# Altium PCB PCB_WINGLET_V1P_OSR.PcbDoc (part 1 of 4) (continued)
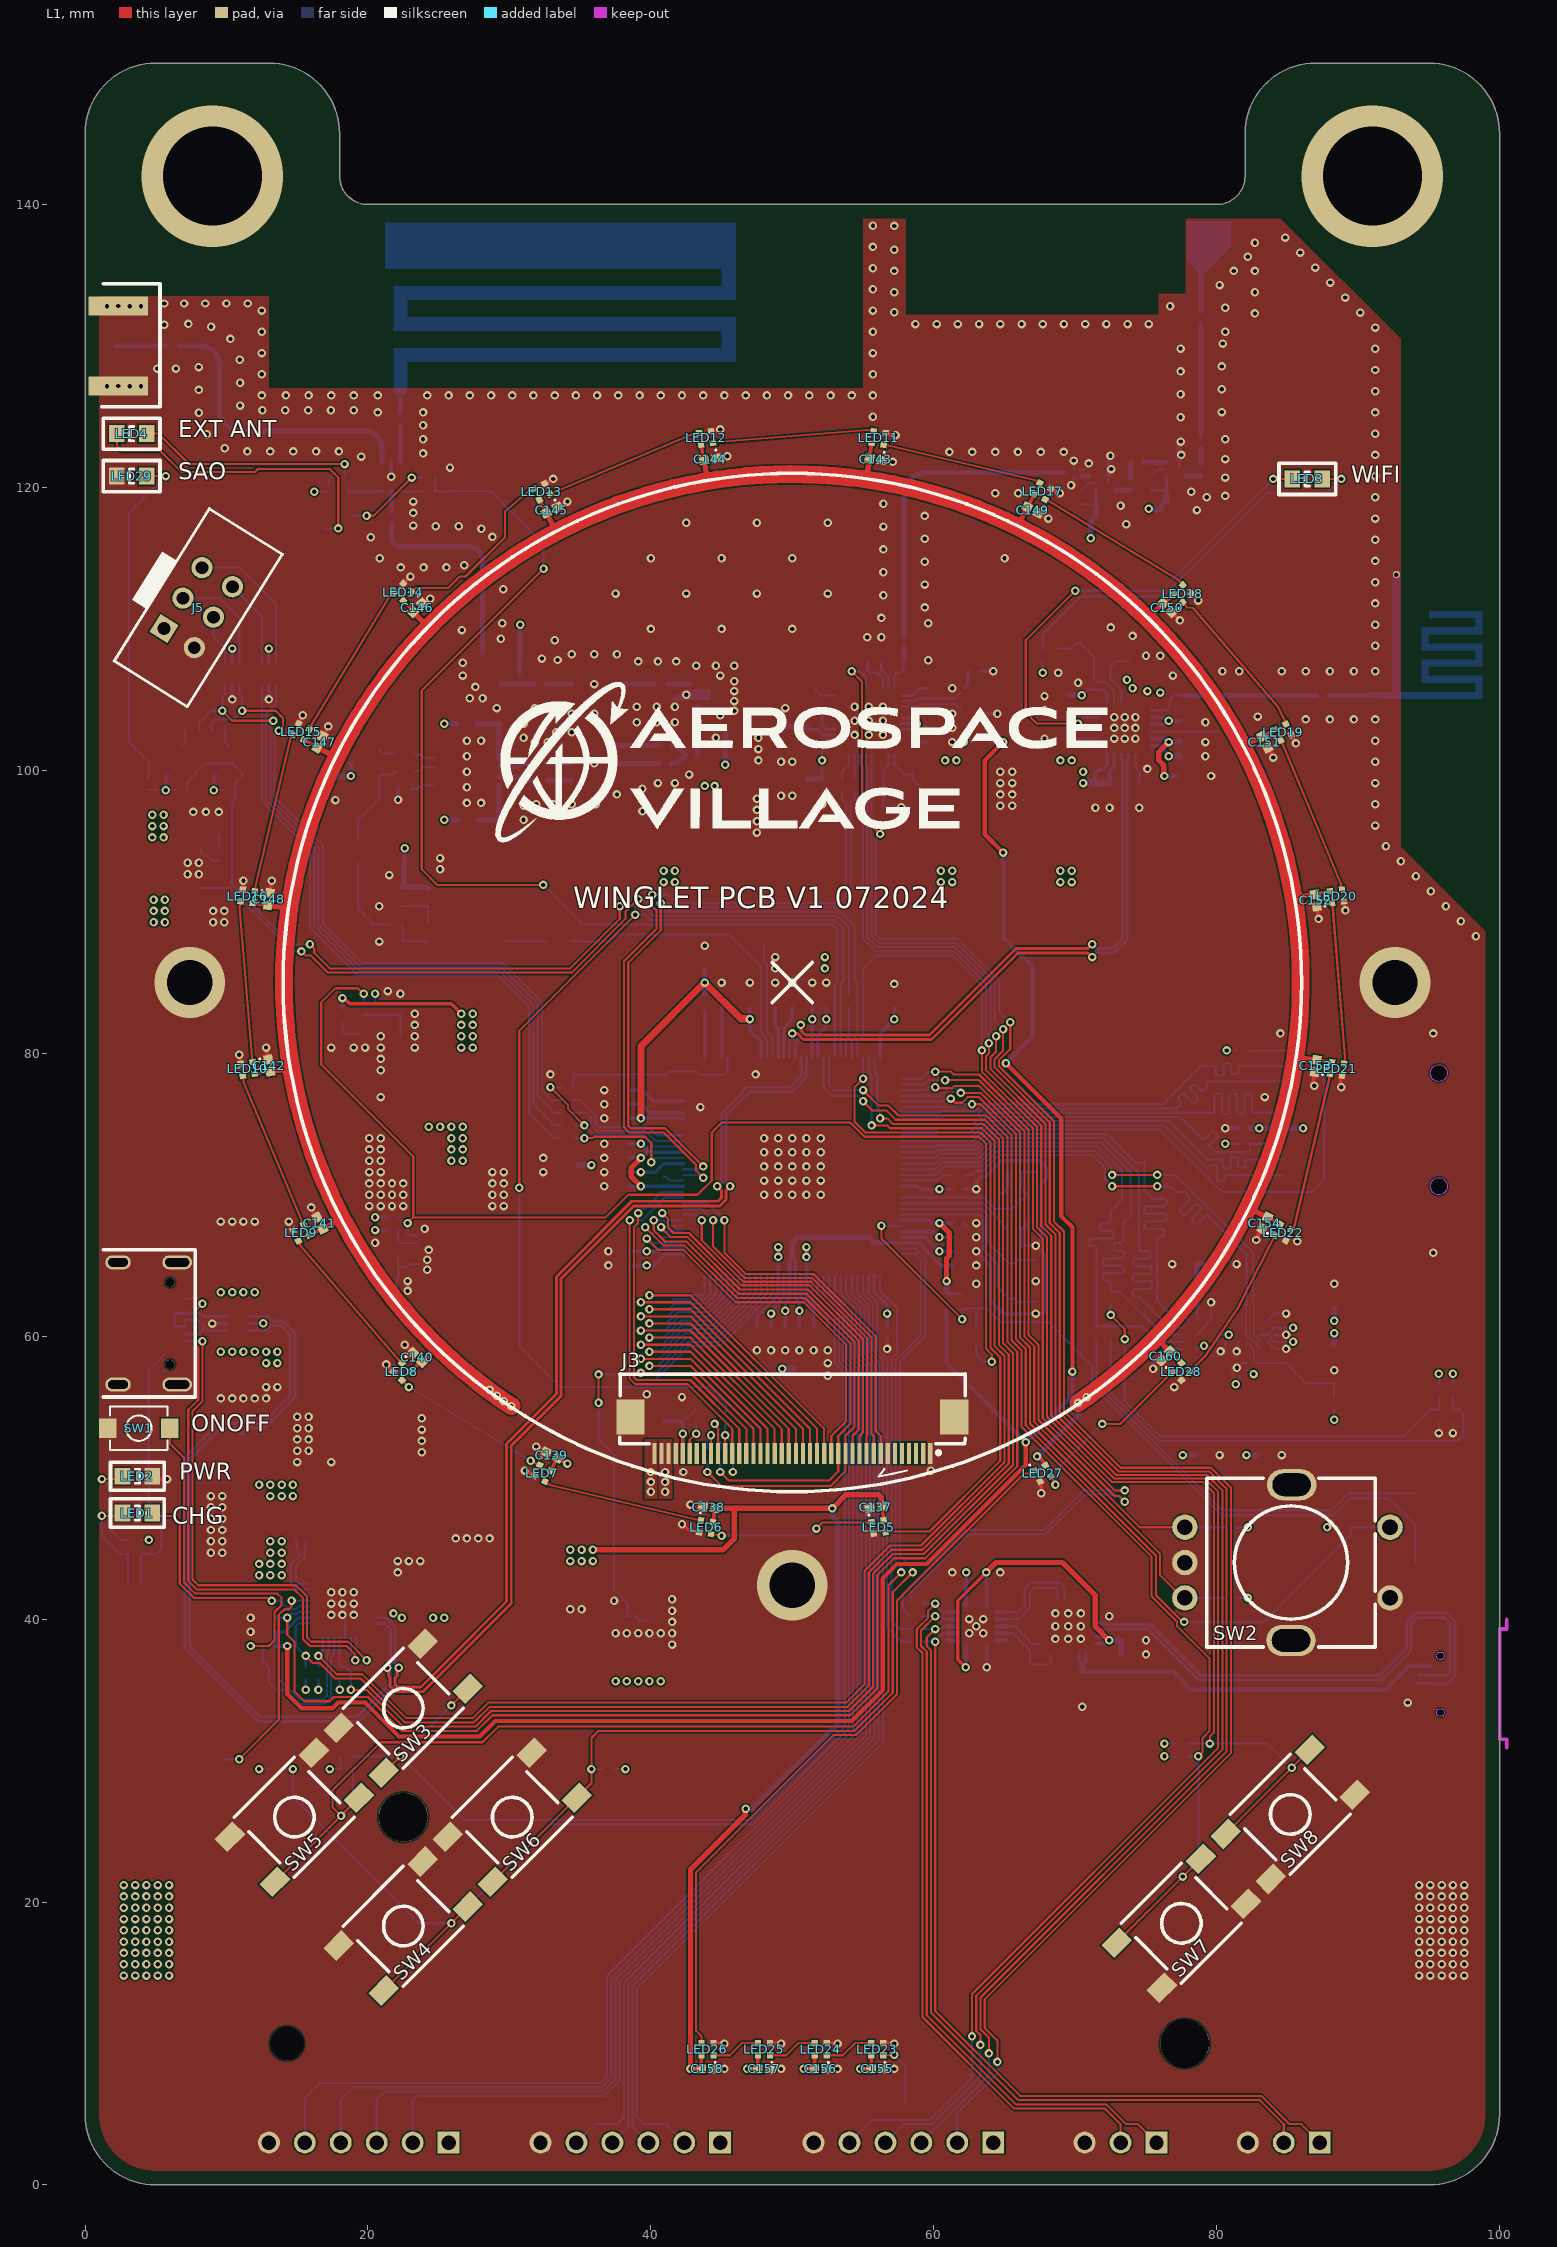
[diagram p0: L1 view]
## Components (designator, comment, footprint, x,y, rotation, side; value= is the part's Value field where it differs from the comment) (continued)
LED3 "GREEN_0805" 0805_A 86.4,120.6 r0 top
LED4 "GREEN_0805" 0805_A 3.3,123.8 r0 top
LED5 "XL-1010RGBC-WS2812B" DFN3127P600-8N 56.1,46.5 r9 top
LED6 "XL-1010RGBC-WS2812B" DFN3127P600-8N 43.9,46.5 r351 top
LED7 "XL-1010RGBC-WS2812B" DFN3127P600-8N 32.328,50.314 r333 top
LED8 "XL-1010RGBC-WS2812B" DFN3127P600-8N 22.4,57.5 r315 top
LED9 "XL-1010RGBC-WS2812B" DFN3127P600-8N 15.272,67.314 r297 top
LED10 "XL-1010RGBC-WS2812B" DFN3127P600-8N 11.5,78.9 r279 top
LED11 "XL-1010RGBC-WS2812B" DFN3127P600-8N 56.1,123.5 r171 top
LED12 "XL-1010RGBC-WS2812B" DFN3127P600-8N 43.9,123.5 r189 top
LED13 "XL-1010RGBC-WS2812B" DFN3127P600-8N 32.3,119.7 r207 top
LED14 "XL-1010RGBC-WS2812B" DFN3127P600-8N 22.5,112.599 r225 top
LED15 "XL-1010RGBC-WS2812B" DFN3127P600-8N 15.286,102.728 r243 top
LED16 "XL-1010RGBC-WS2812B" DFN3127P600-8N 11.5,91.1 r261 top
LED17 "XL-1010RGBC-WS2812B" DFN3127P600-8N 67.686,119.728 r153 top
LED18 "XL-1010RGBC-WS2812B" DFN3127P600-8N 77.6,112.5 r135 top
LED19 "XL-1010RGBC-WS2812B" DFN3127P600-8N 84.7,102.7 r117 top
LED20 "XL-1010RGBC-WS2812B" DFN3127P600-8N 88.5,91.1 r99 top
LED21 "XL-1010RGBC-WS2812B" DFN3127P600-8N 88.5,78.9 r81 top
LED22 "XL-1010RGBC-WS2812B" DFN3127P600-8N 84.686,67.328 r63 top
LED23 "XL-1010RGBC-WS2812B" DFN3127P600-8N 56,9.6 r180 top
LED24 "XL-1010RGBC-WS2812B" DFN3127P600-8N 52,9.6 r180 top
LED25 "XL-1010RGBC-WS2812B" DFN3127P600-8N 48,9.6 r180 top
LED26 "XL-1010RGBC-WS2812B" DFN3127P600-8N 44,9.6 r180 top
LED27 "XL-1010RGBC-WS2812B" DFN3127P600-8N 67.7,50.3 r27 top
LED28 "XL-1010RGBC-WS2812B" DFN3127P600-8N 77.5,57.5 r45 top
LED29 "GREEN_0805" 0805_A 3.3,120.8 r0 top
P1 "TSW-103-07-G-S" SMTC-TSW-103-07-X-S 87.28,3 r180 bottom locked
P2 "TSW-103-07-G-S" SMTC-TSW-103-07-X-S 75.74,3 r180 bottom locked
P3 "TSW-106-07-F-S" SMTC-TSW-106-07-X-S 64.2,3 r180 bottom locked
P4 "TSW-106-07-F-S" SMTC-TSW-106-07-X-S 25.7,3 r180 bottom locked
P5 "TSW-106-07-F-S" SMTC-TSW-106-07-X-S 44.9,3 r180 bottom locked
Q1 "BC848BLT1" ONSC-SOT-23-3-318-08_V 19.8,100.5 r180 bottom
Q2 "BC848BLT1" ONSC-SOT-23-3-318-08_V 17.9,117.1 r180 bottom
Q3 "SI2301-ZE" FP-SOT23-MFG 10.2,100.7 r90 bottom
Q4 "SI2301-ZE" FP-SOT23-MFG 6.8,100.7 r90 bottom
R1 "10K_0402" RESC1005X40X25NL05T05 13,38.1 r180 bottom
R2 "10K_0402" RESC1005X40X25NL05T05 18,36.2 r90 bottom
R3 "10K_0402" RESC1005X40X25NL05T05 15.6,36.2 r90 bottom
R4 "10K_0402" RESC1005X40X25NL05T05 16.5,36.2 r90 bottom
R5 "10mR_1206_1W" FP-ERJ8BW-IPC_B 15.3,47.1 r180 bottom
R6 "10K_0402" RESC1005X40X25NL05T05 13,40.1 r0 bottom
R7 "10K_0402" RESC1005X40X25NL05T05 3.5,44.6 r0 bottom
R8 "10K_0402" RESC1005X40X25NL05T05 3.5,43.6 r0 bottom
R9 "NTC_10K_0603" FP-ERTJ1-IPC_C 9.2,30.1 r180 bottom
R10 "10K_0402" RESC1005X40X25NL05T05 3.5,42.6 r0 bottom
R11 "10K_0402" RESC1005X40X25NL05T05 22,62.7 r90 bottom
R12 "100K_0402" RESC1005X40X25NL05T10 21.7,68.4 r180 bottom
R13 "511K_0402" RESC1005X40X25NL05T10 21.7,67.5 r0 bottom
R14 "100K_0402" RESC1005X40X25NL05T10 21.7,65.7 r180 bottom
R15 "10K_0402" RESC1005X40X25NL05T05 22,87.9 r0 bottom
R16 "91K_0402" RESC1005X40X25NL05T10 21.7,66.6 r180 bottom
R17 "10K_0402" RESC1005X40X25NL05T05 3.5,45.6 r0 bottom
R18 "75K_0402" RESC1005X40X25NL05T05 18.2,82.7 r90 bottom
R19 "150K_0402" RESC1005X40X25NL05T05 18.2,80.9 r90 bottom
R20 "100K_0402" RESC1005X40X25NL05T10 20.5,83.1 r90 bottom
R21 "100K_0402" RESC1005X40X25NL05T10 19.7,83.1 r90 bottom
R22 "100K_0402" RESC1005X40X25NL05T10 22.3,83.1 r90 bottom
R23 "10K_0402" RESC1005X40X25NL05T05 62,62.4 r90 bottom
R24 "0R_0603" RESC1608X55X25LL10T15 60.9,62.5 r270 bottom
R25 "240R_0402_0.1%" RESC1005X40X25NL05T05 51.5,60.3 r90 bottom
R26 "0R_0603" RESC1608X55X25LL10T15 43.8,83.6 r270 bottom
R27 "100K_0402" RESC1005X40X25NL05T10 34.1,77.6 r180 bottom
R28 "100K_0402" RESC1005X40X25NL05T10 34.1,78.5 r0 bottom
R29 "10K_0402" RESC1005X40X25NL05T05 81.9,80.2 r0 bottom
R30 "33R_0402" RESC1005X40X25NL05T05 61.7,75 r0 bottom
R31 "10K_0402" RESC1005X40X25NL05T05 81.9,73.6 r0 bottom
R32 "33R_0402" RESC1005X40X25NL05T05 61.7,71.4 r0 bottom
R33 "10K_0402" RESC1005X40X25NL05T05 72.5,62.7 r270 bottom
R34 "10K_0402" RESC1005X40X25NL05T05 72.5,60.25 r270 bottom
R35 "33R_0402" RESC1005X40X25NL05T05 71.5,60.25 r270 bottom
R36 "10K_0402" RESC1005X40X25NL05T05 88.3,55.3 r270 bottom
R37 "10K_0402" RESC1005X40X25NL05T05 43.2,54.4 r270 bottom
R38 "10K_0402" RESC1005X40X25NL05T05 45.8,51.6 r90 bottom
R39 "33R_0402" RESC1005X40X25NL05T05 45.3,54.2 r270 bottom
R40 "33R_0402" RESC1005X40X25NL05T05 44,51.6 r90 bottom
R41 "33R_0402" RESC1005X40X25NL05T05 44.9,51.6 r90 bottom
R42 "1R3_0805" RESC2013X50X30NL20T20 40.2,42.1 r90 bottom
R43 "10K_0402" RESC1005X40X25NL05T05 40.1,39.9 r0 bottom
R44 "10K_0402" RESC1005X40X25NL05T05 69.15,102.2 r0 bottom
R45 "10K_0402" RESC1005X40X25NL05T05 69.15,104.3 r0 bottom
R46 "24K_0402" RESC1005X40X25NL05T05 74.525,98.65 r90 bottom
R47 "10K_0402" RESC1005X40X25NL05T05 67.7,108.1 r90 bottom
R48 "10K_0402" RESC1005X40X25NL05T05 75.365,120.3 r90 bottom
R49 "10K_0402" RESC1005X40X25NL05T05 70.4,119.3 r90 bottom
R50 "33R_0402" RESC1005X40X25NL05T05 53.5,98.9 r270 bottom
R51 "33R_0402" RESC1005X40X25NL05T05 54.4,98.9 r270 bottom
R52 "33R_0402" RESC1005X40X25NL05T05 24.3,119.7 r0 bottom
R53 "10K_0402" RESC1005X40X25NL05T05 25.8,120.2 r270 bottom
R54 "10R_0603" RESC1608X55X25NL10T15 17.9,119.7 r180 bottom
R55 "10K_0402" RESC1005X40X25NL05T05 17.9,120.9 r180 bottom
R56 "0R_0603" RESC1608X55X25LL10T15 22.6,101.2 r0 bottom
R57 "10K_0402" RESC1005X40X25NL05T05 24.3,120.7 r0 bottom
R58 "0R_0603" RESC1608X55X25LL10T15 22.6,99.9 r0 bottom
R59 "10R_0603" RESC1608X55X25NL10T15 27,103.3 r0 bottom
R60 "10K_0402" RESC1005X40X25NL05T05 22,89.1 r0 bottom
R61 "10K_0402" RESC1005X40X25NL05T05 22,90.4 r0 bottom
R62 "10R_0603" RESC1608X55X25NL10T15 27.1,96.5 r0 bottom
R63 "10K_0402" RESC1005X40X25NL05T05 22.6,98.7 r0 bottom
R64 "10K_0402" RESC1005X40X25NL05T05 89,46.5 r180 bottom
R65 "33R_0402" RESC1005X40X25NL05T05 34.1,76.7 r180 bottom
R66 "10K_0402" RESC1005X40X25NL05T05 4.5,99.05 r270 bottom
R67 "10K_0402" RESC1005X40X25NL05T05 81,46.5 r0 bottom
R68 "10K_0402" RESC1005X40X25NL05T05 81,41.5 r180 bottom
R69 "10K_0402" RESC1005X40X25NL05T05 9.45,91.26 r270 bottom
R70 "10K_0402" RESC1005X40X25NL05T05 9.45,94.06 r90 bottom
R71 "33R_0402" RESC1005X40X25NL05T05 34.1,75.8 r180 bottom
R72 "10K_0402" RESC1005X40X25NL05T05 9.45,95.86 r90 bottom
R73 "10K_0402" RESC1005X40X25NL05T05 18.5,30.3 r180 bottom
R74 "33R_0402" RESC1005X40X25NL05T05 34.1,74.9 r180 bottom
R75 "10K_0402" RESC1005X40X25NL05T05 13.5,29.4 r180 bottom
R76 "10K_0402" RESC1005X40X25NL05T05 18.5,29.4 r180 bottom
R77 "100K_0402" RESC1005X40X25NL05T10 10.2,98.6 r180 bottom
R78 "10K_0402" RESC1005X40X25NL05T05 37,29.4 r0 bottom
R79 "10K_0402" RESC1005X40X25NL05T05 77.5,30.3 r180 bottom
R80 "10K_0402" RESC1005X40X25NL05T05 77.5,31.2 r180 bottom
R81 "10K_0402" RESC1005X40X25NL05T05 9.4,102.8 r0 bottom
R82 "33R_0402" RESC1005X40X25NL05T05 34.1,74 r180 bottom
R83 "33R_0402" RESC1005X40X25NL05T05 54,83.7 r90 bottom
R84 "100K_0402" RESC1005X40X25NL05T10 6.8,98.6 r180 bottom
R85 "10K_0402" RESC1005X40X25NL05T05 7.6,102.8 r180 bottom
R86 "33R_0402" RESC1005X40X25NL05T05 58.8,41.1 r0 bottom
R87 "33R_0402" RESC1005X40X25NL05T05 58.8,40.2 r0 bottom
R88 "33R_0402" RESC1005X40X25NL05T05 58.8,39.3 r0 bottom
R89 "33R_0402" RESC1005X40X25NL05T05 58.8,38.4 r0 bottom
R90 "10K_0402" RESC1005X40X25NL05T05 95.7,56.15 r270 bottom
R91 "10K_0402" RESC1005X40X25NL05T05 96.7,56.15 r270 bottom
R92 "10K_0402" RESC1005X40X25NL05T05 95.7,54.35 r270 bottom
R93 "10K_0402" RESC1005X40X25NL05T05 96.7,54.35 r270 bottom
SW1 "GT-TC029B-H025-L1N" LCSC_SMD_SW_SMALL 3.8,53.5 r180 top
SW2 "EC11L1525G01" LCSC_ALPS_EC11L1525G01 85,44 r270 top
SW3 "C5127964" LCSC_SMD_SW_MED 22.5,33.7 r225 top locked
SW4 "C5127964" LCSC_SMD_SW_MED 22.5,18.3 r225 top locked
SW5 "C5127964" LCSC_SMD_SW_MED 14.8,26 r225 top locked
SW6 "C5127964" LCSC_SMD_SW_MED 30.2,26 r225 top locked
SW7 "C5127964" LCSC_SMD_SW_MED 77.5,18.5 r45 top
SW8 "C5127964" LCSC_SMD_SW_MED 85.2,26.2 r45 top
SW9 "GT-TC029B-H025-L1N" LCSC_SMD_SW_SMALL 96.2,48.9 r0 bottom
SW10 "GT-TC029B-H025-L1N" LCSC_SMD_SW_SMALL 96.2,44 r0 bottom
TP1 "TESTPOINT" TESTPOINT-0.7MM-SINGLE-LAYER 13.8,35.7 r270 bottom value=Unknown
TP2 "TESTPOINT" TESTPOINT-0.7MM-SINGLE-LAYER 13,36.6 r270 bottom value=Unknown
TP3 "TESTPOINT" TESTPOINT-0.7MM-SINGLE-LAYER 65.5,53.5 r270 bottom value=Unknown
TP4 "TESTPOINT" TESTPOINT-0.7MM-SINGLE-LAYER 69.65,59.45 r270 bottom value=Unknown
TP5 "TESTPOINT" TESTPOINT-0.7MM-SINGLE-LAYER 64.2,66.2 r270 bottom value=Unknown
TP6 "TESTPOINT" TESTPOINT-0.7MM-SINGLE-LAYER 67.2,71.6 r270 bottom value=Unknown
TP7 "TESTPOINT" TESTPOINT-0.7MM-SINGLE-LAYER 40.9,71.3 r270 bottom value=Unknown
TP8 "TESTPOINT" TESTPOINT-0.7MM-SINGLE-LAYER 48,87.6 r270 bottom value=Unknown
TP9 "TESTPOINT" TESTPOINT-0.7MM-SINGLE-LAYER 35.6,78.5 r270 bottom value=Unknown
TP10 "TESTPOINT" TESTPOINT-0.7MM-SINGLE-LAYER 11.108,53.058 r270 bottom value=Unknown
TP11 "TESTPOINT" TESTPOINT-0.7MM-SINGLE-LAYER 11.125,54.275 r270 bottom value=Unknown
TP12 "TESTPOINT" TESTPOINT-0.7MM-SINGLE-LAYER 78.9,75.8 r180 bottom value=Unknown
TP13 "TESTPOINT" TESTPOINT-0.7MM-SINGLE-LAYER 78.4,74.5 r180 bottom value=Unknown
TP14 "TESTPOINT" TESTPOINT-0.7MM-SINGLE-LAYER 82.2,78 r180 bottom value=Unknown
TP15 "TESTPOINT" TESTPOINT-0.7MM-SINGLE-LAYER 78.818,79.1 r180 bottom value=Unknown
TP16 "TESTPOINT" TESTPOINT-0.7MM-SINGLE-LAYER 83,71.4 r180 bottom value=Unknown
TP17 "TESTPOINT" TESTPOINT-0.7MM-SINGLE-LAYER 83,72.5 r180 bottom value=Unknown
TP18 "TESTPOINT" TESTPOINT-0.7MM-SINGLE-LAYER 77.1,70.2 r180 bottom value=Unknown
TP19 "TESTPOINT" TESTPOINT-0.7MM-SINGLE-LAYER 74.5,66.9 r180 bottom value=Unknown
TP20 "TESTPOINT" TESTPOINT-0.7MM-SINGLE-LAYER 73.4,68 r180 bottom value=Unknown
TP21 "TESTPOINT" TESTPOINT-0.7MM-SINGLE-LAYER 77.1,71.4 r180 bottom value=Unknown
TP22 "TESTPOINT" TESTPOINT-0.7MM-SINGLE-LAYER 73,69.3 r180 bottom value=Unknown
TP23 "TESTPOINT" TESTPOINT-0.7MM-SINGLE-LAYER 74.9,72.3 r180 bottom value=Unknown
TP24 "TESTPOINT" TESTPOINT-0.7MM-SINGLE-LAYER 88.3,56.7 r90 bottom value=Unknown
TP25 "TESTPOINT" TESTPOINT-0.7MM-SINGLE-LAYER 80.1,102.75 r270 bottom value=Unknown
TP26 "TESTPOINT" TESTPOINT-0.7MM-SINGLE-LAYER 69.15,103.3 r270 bottom value=Unknown
TP27 "TESTPOINT" TESTPOINT-0.7MM-SINGLE-LAYER 51.6,105.7 r270 bottom value=Unknown
TP28 "TESTPOINT" TESTPOINT-0.7MM-SINGLE-LAYER 58,5.7 r270 bottom value=Unknown
U1 "AXP2585" QFN127P600-8N 18.2,41.1 r0 bottom
U2 "TPS63802DLAR" FP-DLA0010A-MFG 24.4,66.1 r0 bottom
U3 "ZD8028C" SOT95P292X115-5N 20.9,80.4 r180 bottom
U4 "T113-S3" TSQFP40P1600X1600X160_HS-129N 50,72 r180 bottom locked
U5 "EMMC-FBGA153" BGA153C50P14X14_1150X1300X100 80.85,58.35 r270 bottom locked
U6 "PAM2804" SOT95P292X115-5N 37.4,41.6 r90 bottom
U7 "RTL8188FTV" QFN50P400X400X90_HS-25N_RTL 73.5,103 r270 bottom
U8 "MAX2659ELT+" FP-L611-2-MFG 76.865,121.3 r180 bottom
U9 "MAX2659ELT+" FP-L611-2-MFG 71.9,120.3 r180 bottom
U10 "AT6558R" QFN40P500X500X90_HS-41N 55.4,103.5 r180 bottom
U11 "PE4259-63" SOT65P210X100-6N 21.65,120.75 r270 bottom
U12 "PSA4-5043" SOT343P210X110-4N-MMM 28.75,107.2 r90 bottom
U13 "SGL0622Z" SON50P200X90_HS-9N 44.24,105.35 r0 bottom
U14 "AD8313" TSOP65P490X110-8N-AD8313 27,99.9 r180 bottom
U15 "COS6143SR" SOP127P600X175-8N 27,89.8 r0 bottom
U16 "SY6280" SOT95P292X115-5N 7.25,93.06 r270 bottom
U17 "CP2105-F01-GMR" FP-CP2105-F01-GMR-MFG 69.5,39.5 r180 bottom
U18 "TXB0104RGYR" FP-RGY0014A-MFG 63,39.5 r180 bottom
X1 "32.768kHz" ABRA-ABS07_A_V 65.7,63.9 r270 bottom
X2 "24MHz" FP-7M-MFG 65.7,69 r90 bottom
X3 "3225_40MHz" FP-ABM8-MFG 71.325,108.15 r180 bottom
X4 "TCXO_26MHz" FP-ECS-TXO-2520-MFG 62.9,104.9 r270 bottom
X5 "32.768kHz" ABRA-ABS07_A_V 57.7,98.9 r0 bottom
Z1 "4.3nH_0402" CAPC1006X50X20NL10T10 78.9,132 r90 bottom
Z2 "4.3nH_0402" RESC1005X40X25NL05T05 78.45,133.3 r0 bottom
Z3 "Z_0402" RESC1005X40X25NL05T05 81.15,138.2 r180 bottom
Z4 "2.2pF_0402" RESC1005X40X25NL05T05 78.45,130.7 r0 bottom
Z5 "14nH_0402" FP-LQW15AN_80-MFG 22.3,124.8 r270 bottom
Z6 "2pF_0402" CAPC1005X55X25NL05T10 22.74,126.2 r180 bottom
Z7 "Z_0402" CAPC1005X55X25NL05T10 22.74,123.4 r180 bottom
Z8 "3pF_0402" CAPC1006X50X20NL10T10 32.2,100.5 r0 bottom
Z9 "3pF_0402" CAPC1006X50X20NL10T10 32.2,99.3 r0 bottom
Z10 "8.2nH_0402" RESC1005X40X25NL05T05 30.7,99.9 r90 bottom

## Footprints (in the part's own frame and the unit in brackets; to place one, negate y for a bottom-side part, rotate by r counter-clockwise, add the part's x,y. Pads: shape width x height; smd on the part's side, far side on the other; paste and mask are expansions set on the pad)
0805_A [mm] "Chip LED, 2-Leads, Body 2.0x1.3mm, IPC Medium Density"
  rect 1.1x1.2 smd: 1(-1.05,0) 2(1.05,0)
  silkscreen extent -0.15,-0.5 0.15,0.5, body extent -1,-0.63 1,0.63, height 0.68
ABRA-ABS07_A_V [mm] "SMD, 2-Leads, Body 3.2x1.5mm"
  rect 1x1.8 smd: 1(-1.25,0) 2(1.25,0)
  silkscreen extent -0.35,-0.75 0.35,0.75, body extent -1.6,-0.75 1.6,0.75, height 0.9
ANT1001011 [mm]
  rect 2x2.8 smd: 1(19,0)
  rect 3x2.8 smd: 2(13,0) 3(6.5,0) 4(0,0)
  body extent -1.7,-1.6 20.2,1.6, height 3.6
BGA153C50P14X14_1150X1300X100 [mm] "BGA, 153-Leads, Body 11.50x13.00mmx1.00mm, Pitch 0.50mm"
  round 0.25 smd: A1(-3.25,3.25) A2(-2.75,3.25) A3(-2.25,3.25) A4(-1.75,3.25) A5(-1.25,3.25) A6(-0.75,3.25) A7(-0.25,3.25) A8(0.25,3.25) A9(0.75,3.25) A10(1.25,3.25) A11(1.75,3.25) A12(2.25,3.25) A13(2.75,3.25) A14(3.25,3.25) B1(-3.25,2.75) B2(-2.75,2.75) B3(-2.25,2.75) B4(-1.75,2.75) B5(-1.25,2.75) B6(-0.75,2.75) B7(-0.25,2.75) B8(0.25,2.75) B9(0.75,2.75) B10(1.25,2.75) B11(1.75,2.75) B12(2.25,2.75) B13(2.75,2.75) B14(3.25,2.75) C1(-3.25,2.25) C2(-2.75,2.25) C3(-2.25,2.25) C4(-1.75,2.25) C5(-1.25,2.25) C6(-0.75,2.25) C7(-0.25,2.25) C8(0.25,2.25) C9(0.75,2.25) C10(1.25,2.25) C11(1.75,2.25) C12(2.25,2.25) C13(2.75,2.25) C14(3.25,2.25) D1(-3.25,1.75) D2(-2.75,1.75) D3(-2.25,1.75) D4(-1.75,1.75) D12(2.25,1.75) D13(2.75,1.75) D14(3.25,1.75) E1(-3.25,1.25) E2(-2.75,1.25) E3(-2.25,1.25) E5(-1.25,1.25) E6(-0.75,1.25) E7(-0.25,1.25) E8(0.25,1.25) E9(0.75,1.25) E10(1.25,1.25) E12(2.25,1.25) E13(2.75,1.25) E14(3.25,1.25) F1(-3.25,0.75) F2(-2.75,0.75) F3(-2.25,0.75) F5(-1.25,0.75) F10(1.25,0.75) F12(2.25,0.75) F13(2.75,0.75) F14(3.25,0.75) G1(-3.25,0.25) G2(-2.75,0.25) G3(-2.25,0.25) G5(-1.25,0.25) G10(1.25,0.25) G12(2.25,0.25) G13(2.75,0.25) G14(3.25,0.25) H1(-3.25,-0.25) H2(-2.75,-0.25) H3(-2.25,-0.25) H5(-1.25,-0.25) H10(1.25,-0.25) H12(2.25,-0.25) H13(2.75,-0.25) H14(3.25,-0.25) J1(-3.25,-0.75) J2(-2.75,-0.75) J3(-2.25,-0.75) J5(-1.25,-0.75) J10(1.25,-0.75) J12(2.25,-0.75) J13(2.75,-0.75) J14(3.25,-0.75) K1(-3.25,-1.25) K2(-2.75,-1.25) K3(-2.25,-1.25) K5(-1.25,-1.25) K6(-0.75,-1.25) K7(-0.25,-1.25) K8(0.25,-1.25) K9(0.75,-1.25) K10(1.25,-1.25) K12(2.25,-1.25) K13(2.75,-1.25) K14(3.25,-1.25) L1(-3.25,-1.75) L2(-2.75,-1.75) L3(-2.25,-1.75) L12(2.25,-1.75) L13(2.75,-1.75) L14(3.25,-1.75) M1(-3.25,-2.25) M2(-2.75,-2.25) M3(-2.25,-2.25) M4(-1.75,-2.25) M5(-1.25,-2.25) M6(-0.75,-2.25) M7(-0.25,-2.25) M8(0.25,-2.25) M9(0.75,-2.25) M10(1.25,-2.25) M11(1.75,-2.25) M12(2.25,-2.25) M13(2.75,-2.25) M14(3.25,-2.25) N1(-3.25,-2.75) N2(-2.75,-2.75) N3(-2.25,-2.75) N4(-1.75,-2.75) N5(-1.25,-2.75) N6(-0.75,-2.75) N7(-0.25,-2.75) N8(0.25,-2.75) N9(0.75,-2.75) N10(1.25,-2.75) N11(1.75,-2.75) N12(2.25,-2.75) N13(2.75,-2.75) N14(3.25,-2.75) P1(-3.25,-3.25) P2(-2.75,-3.25) P3(-2.25,-3.25) P4(-1.75,-3.25) P5(-1.25,-3.25) P6(-0.75,-3.25) P7(-0.25,-3.25) P8(0.25,-3.25) P9(0.75,-3.25) P10(1.25,-3.25) P11(1.75,-3.25) P12(2.25,-3.25) P13(2.75,-3.25) P14(3.25,-3.25)
  silkscreen extent -6.52,-6.5 5.75,6.5, body extent -5.75,-6.5 5.75,6.5, height 1
CAPC1005X55X25ML05T10 [mm] "Chip Capacitor, 2-Leads, Body 1.00x0.50mm, IPC Low Density"
  rect 0.76x0.72 smd: 1(-0.49,0) 2(0.49,0)
  body extent -0.53,-0.28 0.53,0.27, height 0.55
CAPC1005X55X25NL5T10 [mm] "Chip Capacitor, 2-Leads, Body 1.05x0.55mm, IPC Medium Density"
  rect 0.66x0.62 smd: 1(-0.44,0) 2(0.44,0)
  body extent -0.53,-0.28 0.53,0.28, height 0.55
CAPC1005X55X25NL05T10 [mm] "Chip Capacitor, 2-Leads, Body 1.00x0.50mm, IPC Medium Density"
  rect 0.66x0.62 smd: 1(-0.44,0) 2(0.44,0)
  body extent -0.53,-0.28 0.53,0.27, height 0.55
CAPC1005X56X25LL10T15 [mm] "Chip Capacitor, 2-Leads, Body 1.00x0.50mm, IPC High Density"
  rect 0.58x0.54 smd: 1(-0.39,0) 2(0.39,0)
  body extent -0.55,-0.3 0.55,0.3, height 0.56
CAPC1005X56X25NL10T15 [mm] "Chip Capacitor, 2-Leads, Body 1.00x0.50mm, IPC Medium Density"
  rect 0.68x0.64 smd: 1(-0.44,0) 2(0.44,0)
  body extent -0.55,-0.3 0.55,0.3, height 0.56
CAPC1005X61X26NL10T16 [mm] "Chip Capacitor, 2-Leads, Body 1.02x0.51mm, IPC Medium Density"
  rect 0.68x0.66 smd: 1(-0.44,0) 2(0.44,0)
  body extent -0.56,-0.31 0.56,0.3, height 0.61
CAPC1006X50X20NL10T10 [mm] "Chip Capacitor, 2-Leads, Body 1.00x0.55mm, IPC Medium Density"
  rect 0.64x0.7 smd: 1(-0.46,0) 2(0.46,0)
  body extent -0.55,-0.33 0.55,0.32, height 0.5
CAPC1608X100X20NL10 [mm] "Chip Capacitor, 2-Leads, Body 1.70x0.90mm, IPC Medium Density"
  rect 0.55x0.95 smd: 1(-0.8,0) 2(0.8,0)
  silkscreen extent -0.15,-0.38 0.15,0.38, body extent -0.85,-0.45 0.85,0.45, height 1
CAPC1609X100X15NL20 [mm] "Chip Capacitor, 2-Leads, Body 1.60x0.85mm, IPC Medium Density"
  rect 0.55x1.05 smd: 1(-0.825,0) 2(0.825,0)
  silkscreen extent -0.15,-0.43 0.15,0.43, body extent -0.9,-0.53 0.9,0.53, height 1
DFN3127P600-8N [mm] "XLED-1010RGBC"
  rect 0.45x0.45 smd mask+0.051: 1(-0.425,0.425) 2(0.425,0.425) 3(-0.425,-0.425) 4(0.425,-0.425)
  silkscreen extent -0.6,0.9 -0.5,1, body extent -0.55,-0.55 0.55,0.55, height 0.8
FP-7M-MFG [mm]
  rect 1.4x1.2 smd paste+0 mask+0: 1(-1.1,-0.85) 2(1.1,-0.85) 3(1.1,0.85) 4(-1.1,0.85)
  silkscreen extent -1.62,-2.22 -1.38,-1.97, body extent -1.6,-1.25 1.6,1.25, height 0.8
FP-1042P-MFG [mil]
  rect 294x255 smd paste+0 mask+0: 1(-1562.5,0) 2(1562.5,0)
  round 135.83 hole 135.83 unplated paste-99999 mask+0: ""(-1087.5,-315) ""(1087.5,315)
  round 94 hole 94 unplated paste-99999 mask+0: ""(1411.5,-315)
  silkscreen extent -1522,-412 1522,412, body extent -1693,-407 1693,406, height 595
FP-ABM8-MFG [mm]
  rect 1.3x1.05 smd paste+0 mask+0: 1(-1.15,-0.875) 2(1.15,-0.875) 3(1.15,0.875) 4(-1.15,0.875)
  silkscreen extent -2.5,-1.88 1.7,1.88, body extent -1.6,-1.25 1.6,1.25, height 0.8
FP-BLM21-0_2-t0_85-e0_5-IPC_B [mm]
  rect 1.255x1.456 smd paste+0 mask+0: 1(-0.826,0) 2(0.826,0)
  silkscreen extent -1.45,-1.13 1.45,1.13, body extent -1,-0.63 1,0.63, height 1.05
FP-CP2105-F01-GMR-MFG [mm]
  rect 0.7x0.25 smd paste+0 mask+0: 1(-1.975,1.25) 2(-1.975,0.75) 3(-1.975,0.25) 4(-1.975,-0.25) 5(-1.975,-0.75) 6(-1.975,-1.25) 13(1.975,-1.25) 14(1.975,-0.75) 15(1.975,-0.25) 16(1.975,0.25) 17(1.975,0.75) 18(1.975,1.25)
  rect 0.25x0.7 smd paste+0 mask+0: 7(-1.25,-1.975) 8(-0.75,-1.975) 9(-0.25,-1.975) 10(0.25,-1.975) 11(0.75,-1.975) 12(1.25,-1.975) 19(1.25,1.975) 20(0.75,1.975) 21(0.25,1.975) 22(-0.25,1.975) 23(-0.75,1.975) 24(-1.25,1.975)
  rect 2.75x2.75 smd paste-1000 mask+0: 25(0,0)
  silkscreen extent -2.93,-2.07 2.07,2.07, body extent -2,-2 2,2, height 0.8
FP-DFE252012C-IPC_A [mm]
  rect 1.555x2.306 smd paste+0 mask+0: 1(-1.126,0) 2(1.126,0)
  silkscreen extent -1.9,-1.55 1.9,1.55, body extent -1.25,-1 1.25,1, height 1.2
FP-DLA0010A-MFG [mm]
  rrect40% 0.6x0.25 smd paste+0 mask+0: 1(-0.9,1) 2(-0.9,0.5) 3(-0.9,0) 4(-0.9,-0.5) 5(-0.9,-1)
  rrect40% 0.9x0.25 smd paste+0 mask+0: 6(0.75,-1) 7(0.75,-0.5) 9(0.75,0.5) 10(0.75,1)
  rrect40% 1.3x0.25 smd paste-1000 mask+0: 8(0.55,0)
  silkscreen extent -1.92,-1.55 1.05,1.55, body extent -1,-1.5 1,1.5, height 1
FP-ECS-TXO-2520-MFG [mm]
  rect 0.9x0.8 smd paste+0 mask+0: 1(-0.925,-0.725) 2(0.925,-0.725) 3(0.925,0.725) 4(-0.925,0.725)
  silkscreen extent -1.05,-1.8 0.1,1.05, body extent -1.25,-1 1.25,1, height 1
FP-ERJ8BW-IPC_B [mm]
  rect 1.755x1.806 smd paste+0 mask+0: 1(-1.176,0) 2(1.176,0)
  silkscreen extent -2.05,-1.3 2.05,1.3, body extent -1.6,-0.8 1.6,0.8, height 0.75
FP-ERTJ1-IPC_C [mm]
  rect 0.806x0.812 smd paste+0 mask+0: 1(-0.626,0) 2(0.626,0)
  silkscreen extent -1.03,-0.85 1.03,0.85, body extent -0.8,-0.4 0.8,0.4, height 0.9
FP-L611-2-MFG [mm]
  rect 0.7x0.23 smd paste+0 mask+0: 1(-0.465,0.5) 2(-0.465,0) 3(-0.465,-0.5) 4(0.465,-0.5) 5(0.465,0) 6(0.465,0.5)
  silkscreen extent -1.5,-0.99 0.8,0.99, body extent -0.5,-0.75 0.5,0.75, height 0.8
FP-LQG15HH_02-IPC_C [mm]
  rect 0.515x0.472 smd paste+0 mask+0: 1(-0.379,0) 2(0.379,0)
  silkscreen extent -1.36,-0.13 -1.11,0.12, body extent -0.5,-0.25 0.5,0.25, height 0.55
FP-LQG15HH_02-MFG [mm]
  rect 0.4x0.5 smd paste+0 mask+0: 1(-0.4,0) 2(0.4,0)
  silkscreen extent -1.27,-0.12 -1.03,0.13, body extent -0.5,-0.25 0.5,0.25, height 0.55
FP-LQG18HH_00-IPC_B [mm]
  rect 1.006x0.958 smd paste+0 mask+0: 1(-0.726,0) 2(0.726,0)
  body extent -0.8,-0.4 0.8,0.4, height 0.95
FP-LQW15AN_00-W0_6-0_1-MFG [mm]
  rect 0.35x0.65 smd paste+0 mask+0: 1(-0.425,0) 2(0.425,0)
  body extent -0.5,-0.3 0.5,0.3, height 0.6
FP-LQW15AN_80-MFG [mm]
  rect 0.41x0.66 smd paste+0 mask+0: 1(-0.505,0) 2(0.505,0)
  body extent -0.5,-0.3 0.5,0.3, height 0.6
FP-MLZ1608-IPC_C [mm]
  rect 0.806x0.858 smd paste+0 mask+0: 1(-0.626,0) 2(0.626,0)
  body extent -0.8,-0.4 0.8,0.4, height 0.95
FP-NR3015-MFG [mm]
  rect 0.8x2.7 smd paste+0 mask+0: 1(-1.1,0) 2(1.1,0)
  silkscreen extent -0.33,-1.55 0.33,1.55, body extent -1.5,-1.5 1.5,1.5, height 1.5
FP-NRS5020-MFG [mm]
  rect 1.5x4 smd paste+0 mask+0: 1(-1.8,0) 2(1.8,0)
  silkscreen extent -2.55,-2.55 2.55,2.55, body extent -2.45,-2.45 2.45,2.45, height 2
FP-RGY0014A-MFG [mm]
  round 0.252 smd paste-1000 mask+0: 1(-0.75,2) 2(-1.725,1) 3(-1.725,0.5) 4(-2.01,0) 5(-2.01,-0.5) 6(-2.01,-1) 7(-0.75,-1.725) 8(0.75,-2.01) 9(1.725,-1) 10(1.725,-0.5) 11(2,0) 12(2,0.5) 13(2,1) 14(0.75,1.725)
  rect 2.05x2.05 smd paste-1000 mask+0: 15(0,0)
  L1 region: 2.15,0.86 1.44,0.86 1.386,0.871 1.341,0.901 1.311,0.946 1.3,1 1.3,1 1.311,1.054 1.341,1.099 1.386,1.129 1.44,1.14 1.44,1.14 2.15,1.14
  L1 region: 2.15,0.36 1.44,0.36 1.386,0.371 1.341,0.401 1.311,0.446 1.3,0.5 1.3,0.5 1.311,0.554 1.341,0.599 1.386,0.629 1.44,0.64 1.44,0.64 2.15,0.64
  L1 region: 2.15,-0.14 1.44,-0.14 1.386,-0.129 1.341,-0.099 1.311,-0.054 1.3,0 1.3,0 1.311,0.054 1.341,0.099 1.386,0.129 1.44,0.14 1.44,0.14 2.15,0.14
  L1 region: 2.15,-0.64 1.44,-0.64 1.386,-0.629 1.341,-0.599 1.311,-0.554 1.3,-0.5 1.3,-0.5 1.311,-0.446 1.341,-0.401 1.386,-0.371 1.44,-0.36 1.44,-0.36 2.15,-0.36
  L1 region: 2.15,-1.14 1.44,-1.14 1.386,-1.129 1.341,-1.099 1.311,-1.054 1.3,-1 1.3,-1 1.311,-0.946 1.341,-0.901 1.386,-0.871 1.44,-0.86 1.44,-0.86 2.15,-0.86
  L1 region: -2.15,-0.86 -1.44,-0.86 -1.386,-0.871 -1.341,-0.901 -1.311,-0.946 -1.3,-1 -1.3,-1 -1.311,-1.054 -1.341,-1.099 -1.386,-1.129 -1.44,-1.14 -1.44,-1.14 -2.15,-1.14
  L1 region: -2.15,-0.36 -1.44,-0.36 -1.386,-0.371 -1.341,-0.401 -1.311,-0.446 -1.3,-0.5 -1.3,-0.5 -1.311,-0.554 -1.341,-0.599 -1.386,-0.629 -1.44,-0.64 -1.44,-0.64 -2.15,-0.64
  L1 region: -2.15,0.14 -1.44,0.14 -1.386,0.129 -1.341,0.099 -1.311,0.054 -1.3,0 -1.3,0 -1.311,-0.054 -1.341,-0.099 -1.386,-0.129 -1.44,-0.14 -1.44,-0.14 -2.15,-0.14
  L1 region: -2.15,0.64 -1.44,0.64 -1.386,0.629 -1.341,0.599 -1.311,0.554 -1.3,0.5 -1.3,0.5 -1.311,0.446 -1.341,0.401 -1.386,0.371 -1.44,0.36 -1.44,0.36 -2.15,0.36
  L1 region: -2.15,1.14 -1.44,1.14 -1.386,1.129 -1.341,1.099 -1.311,1.054 -1.3,1 -1.3,1 -1.311,0.946 -1.341,0.901 -1.386,0.871 -1.44,0.86 -1.44,0.86 -2.15,0.86
  L1 region: 0.61,-2.15 0.61,-1.44 0.621,-1.386 0.651,-1.341 0.696,-1.311 0.75,-1.3 0.75,-1.3 0.804,-1.311 0.849,-1.341 0.879,-1.386 0.89,-1.44 0.89,-1.44 0.89,-2.15
  L1 region: -0.89,-2.15 -0.89,-1.44 -0.879,-1.386 -0.849,-1.341 -0.804,-1.311 -0.75,-1.3 -0.75,-1.3 -0.696,-1.311 -0.651,-1.341 -0.621,-1.386 -0.61,-1.44 -0.61,-1.44 -0.61,-2.15
  L1 region: 0.89,2.15 0.89,1.44 0.879,1.386 0.849,1.341 0.804,1.311 0.75,1.3 0.75,1.3 0.696,1.311 0.651,1.341 0.621,1.386 0.61,1.44 0.61,1.44 0.61,2.15
  L1 region: -0.61,2.15 -0.61,1.44 -0.621,1.386 -0.651,1.341 -0.696,1.311 -0.75,1.3 -0.75,1.3 -0.804,1.311 -0.849,1.341 -0.879,1.386 -0.89,1.44 -0.89,1.44 -0.89,2.15
  silkscreen extent -1.83,-1.83 1.83,1.83, body extent -1.75,-1.75 1.75,1.75, height 1
FP-SMA-J-P-H-ST-EM1-MFG [mm]
  rect 1.27x3.6 smd paste+0 mask+0: 1(0,6.66)
  rect 1.35x4.2 smd paste+0 mask+0: 2(-2.825,6.86) 3(2.825,6.86)
  rect 1.35x4.2 smd far side paste+0 mask+0: 4(-2.825,6.86) 5(2.825,6.86)
  silkscreen extent -3.9,5.5 3.9,9.49, body extent -3.18,-4.76 3.18,8.57, height 3.81
FP-SOD-523-MFG [mm]
  rect 0.65x0.3 smd paste+0 mask+0: 1(-0.675,0) 2(0.675,0)
  silkscreen extent -1.8,-0.12 -1.55,0.13, body extent -0.8,-0.4 0.8,0.4, height 0.7
FP-SOT23-MFG [mm]
  rect 0.9x0.8 smd paste+0 mask+0: 1(-1,0.95) 2(-1,-0.95) 3(1,0)
  silkscreen extent -0.18,-1.5 0.7,1.5, body extent -1.2,-1.45 1.2,1.45, height 1.1
FP-SOT-666-MFG [mm]
  rect 0.99x0.3 smd paste+0 mask+0: 1(-0.805,0.5) 2(-0.805,0) 3(-0.805,-0.5) 4(0.805,-0.5) 5(0.805,0) 6(0.805,0.5)
  silkscreen extent -2.02,-1.1 0.65,1.1, body extent -0.8,-0.8 0.8,0.8, height 0.6
FP-TAJB-MFG [mm]
  rect 1.4x2.8 smd paste+0 mask+0: 1(-1.3,0) 2(1.3,0)
  silkscreen extent -0.23,-1.5 2.9,1.5, body extent -1.75,-1.4 1.75,1.4, height 2.1
FP-USB4105-GF-A-MFG [mm]
  rrect100% 1x2.1 hole 1.7 slot 0.6 at 0 deg paste-2539.97 mask+0: 1(-4.32,3.015) 2(4.32,3.015)
  rrect100% 1x1.8 hole 1.4 slot 0.6 at 0 deg paste-2539.97 mask+0: 3(-4.32,-1.165) 4(4.32,-1.165)
  rect 0.6x1.15 smd paste+0 mask+0: A1-B12(-3.2,3.59) A4-B9(-2.4,3.59) B1-A12(3.2,3.59) B4-A9(2.4,3.59)
  rect 0.3x1.15 smd paste+0 mask+0: A5(-1.25,3.59) A6(-0.25,3.59) A7(0.25,3.59) A8(1.25,3.59) B5(1.75,3.59) B6(0.75,3.59) B7(-0.75,3.59) B8(-1.75,3.59)
  round 0.65 hole 0.65 unplated paste-2539.97 mask+0: ""(-2.89,2.515) ""(2.89,2.515)
  silkscreen extent -3.39,4.59 -3.14,4.84, body extent -4.79,-3.76 4.79,3.77, height 3.26
LCCS127P380X380X125-6N [mm] "LCC, 6-Pins, Body 3.80x3.80mmx1.25mm, Pitch 1.27mm, IPC Medium Density"
  rect 2.2x0.8 smd: 1(-1.1,1.27)
  rect 1.2x0.8 smd: 2(-1.6,0) 3(-1.6,-1.27) 4(1.6,-1.27) 5(1.6,0) 6(1.6,1.27)
  silkscreen extent -2.87,-2.05 2.05,2.05, body extent -1.91,-1.9 1.9,1.91, height 1.25
LCCS127P380X380X125-8N [mm] "LCC, 8-Pins, Body 3.80x3.80mmx1.25mm, Pitch 1.27mm, IPC Medium Density"
  rect 1.2x0.8 smd: 1(-1.6,1.27) 2(-1.6,0) 3(-1.6,-1.27) 5(1.6,-1.27) 6(1.6,0) 7(1.6,1.27)
  rect 0.8x1.4 smd: 4(0,-1.5)
  rect 0.8x1.8 smd: 8(0,1.325)
  silkscreen extent -3.2,-2.05 2.05,2.05, body extent -1.9,-1.9 1.9,1.9, height 1.25
LCSC_ALPS_EC11L1525G01 [mm] "ALPS_EC11L1525G01"
  round 1.8 hole 1.1 paste-2539.97 mask+0.05: A(-2.5,-7.25) B(2.5,-7.25) C(0,-7.25) D(-2.5,7.25) E(2.5,7.25)
  oval 2.2x3.5 hole 1.6 slot 2.7 at 90 deg paste-2539.97 mask+0.05: MNT(-5.5,0.3) MNT(5.5,0.25)
  silkscreen extent -5.97,-5.72 5.97,6.22, body extent -6.55,-7.47 6.55,7.47, height 18.09
LCSC_FPC_40P_0P5MM [mm] "C2856812"
  rect 1.5x0.3 smd paste+0 mask+0.05: 1(-1.288,-9.75) 2(-1.288,-9.25) 3(-1.288,-8.75) 4(-1.288,-8.25) 5(-1.288,-7.75) 6(-1.288,-7.25) 7(-1.288,-6.75) 8(-1.288,-6.25) 9(-1.288,-5.75) 10(-1.288,-5.25) 11(-1.288,-4.75) 12(-1.288,-4.25) 13(-1.288,-3.75) 14(-1.288,-3.25) 15(-1.288,-2.75) 16(-1.288,-2.25) 17(-1.288,-1.75) 18(-1.288,-1.25) 19(-1.288,-0.75) 20(-1.288,-0.25) 21(-1.288,0.25) 22(-1.288,0.75) 23(-1.288,1.25) 24(-1.288,1.75) 25(-1.288,2.25) 26(-1.288,2.75) 27(-1.288,3.25) 28(-1.288,3.75) 29(-1.288,4.25) 30(-1.288,4.75) 31(-1.288,5.25) 32(-1.288,5.75) 33(-1.288,6.25) 34(-1.288,6.75) 35(-1.288,7.25) 36(-1.288,7.75) 37(-1.288,8.25) 38(-1.288,8.75) 39(-1.288,9.25) 40(-1.288,9.75)
  rect 2.5x2 smd paste+0 mask+0.05: MNT(1.288,11.44) MNT(1.288,-11.44)
  silkscreen extent -1.37,-12.23 4.33,12.21, body extent -1.19,-12.2 4.41,12.2, height 2.01
LCSC_MicroQTJ [mm]
  rect 0.4x2 smd paste+0 mask+0.051: 1(-1.3,1.452) 2(-0.65,1.452) 3(0,1.452) 4(0.65,1.452) 5(1.3,1.452)
  rect 2x1.4 smd paste+0 mask+0.051: MNT(-3.2,-1.452) MNT(3.2,-1.452)
  rect 1.6x1 smd paste+0 mask+0.051: MNT(-3.2,0.902) MNT(3.2,0.902)
  Keep-Out Layer board cut-out: -1.725,0.698 -1.752,0.817 -1.829,0.913 -1.939,0.966 -2.061,0.966 -2.172,0.913 -2.248,0.817 -2.275,0.698 -2.275,0.698 -2.248,0.579 -2.172,0.483 -2.061,0.43 -1.939,0.43 -1.829,0.483 -1.752,0.579 -1.725,0.698
  Keep-Out Layer board cut-out: 2.275,0.698 2.248,0.817 2.171,0.913 2.061,0.966 1.939,0.966 1.828,0.913 1.752,0.817 1.725,0.698 1.725,0.698 1.752,0.579 1.828,0.483 1.939,0.43 2.061,0.43 2.171,0.483 2.248,0.579 2.275,0.698
  Keep-Out Layer lines w0.254: 3.9,-3.5 3.9,-4 ; 3.9,-3.5 3.8,-3.5 ; 3.9,-3.5 3.9,-4 ; 3.9,-3.5 3.8,-3.5 ; 3.8,-3.5 -3.9,-3.5 ; 3.8,-3.5 -3.9,-3.5 ; -3.9,-3.5 -3.9,-4 ; -3.9,-3.5 -3.9,-4 ; 3.9,-4 4.5,-4 3.9,-4 ; -3.9,-4 -4.6,-4 -3.9,-4
  silkscreen extent -4.37,-4.34 4.38,1.63, body extent -4,-4.14 4,1.94, height 2.85
LCSC_SMD_SW_MED [mm] "C5127964"
  rect 1.8x1.3 smd paste+0 mask+0.051: 1(-4.2,2.25) 1(4.2,2.25) 2(-4.2,-2.25) 2(4.2,-2.25)
  silkscreen extent -3,-3 3,3, body extent -4.5,-3 4.5,3, height 6.5
LCSC_SMD_SW_SMALL [mm] "C843669"
  rect 1.23x1.36 smd: 1(-2.185,0) 2(2.185,0)
  silkscreen extent -2.03,-1.54 2.03,1.54, body extent -2.4,-1.45 2.4,1.45, height 1.95